# Altium PCB old-CPU-board-multi.PcbDoc (part 2 of 3)
Units mil, origin at the board's own origin, x right, y up, seen from the top; angles counter-clockwise.
Board outline 4897 x 3097 mil, 5 copper layers (L1, L1-2, L2, L3, L4); 329 components, 255 nets, 1009 pads, 327 vias.
Unrouted connection lines stored in the file: 94.
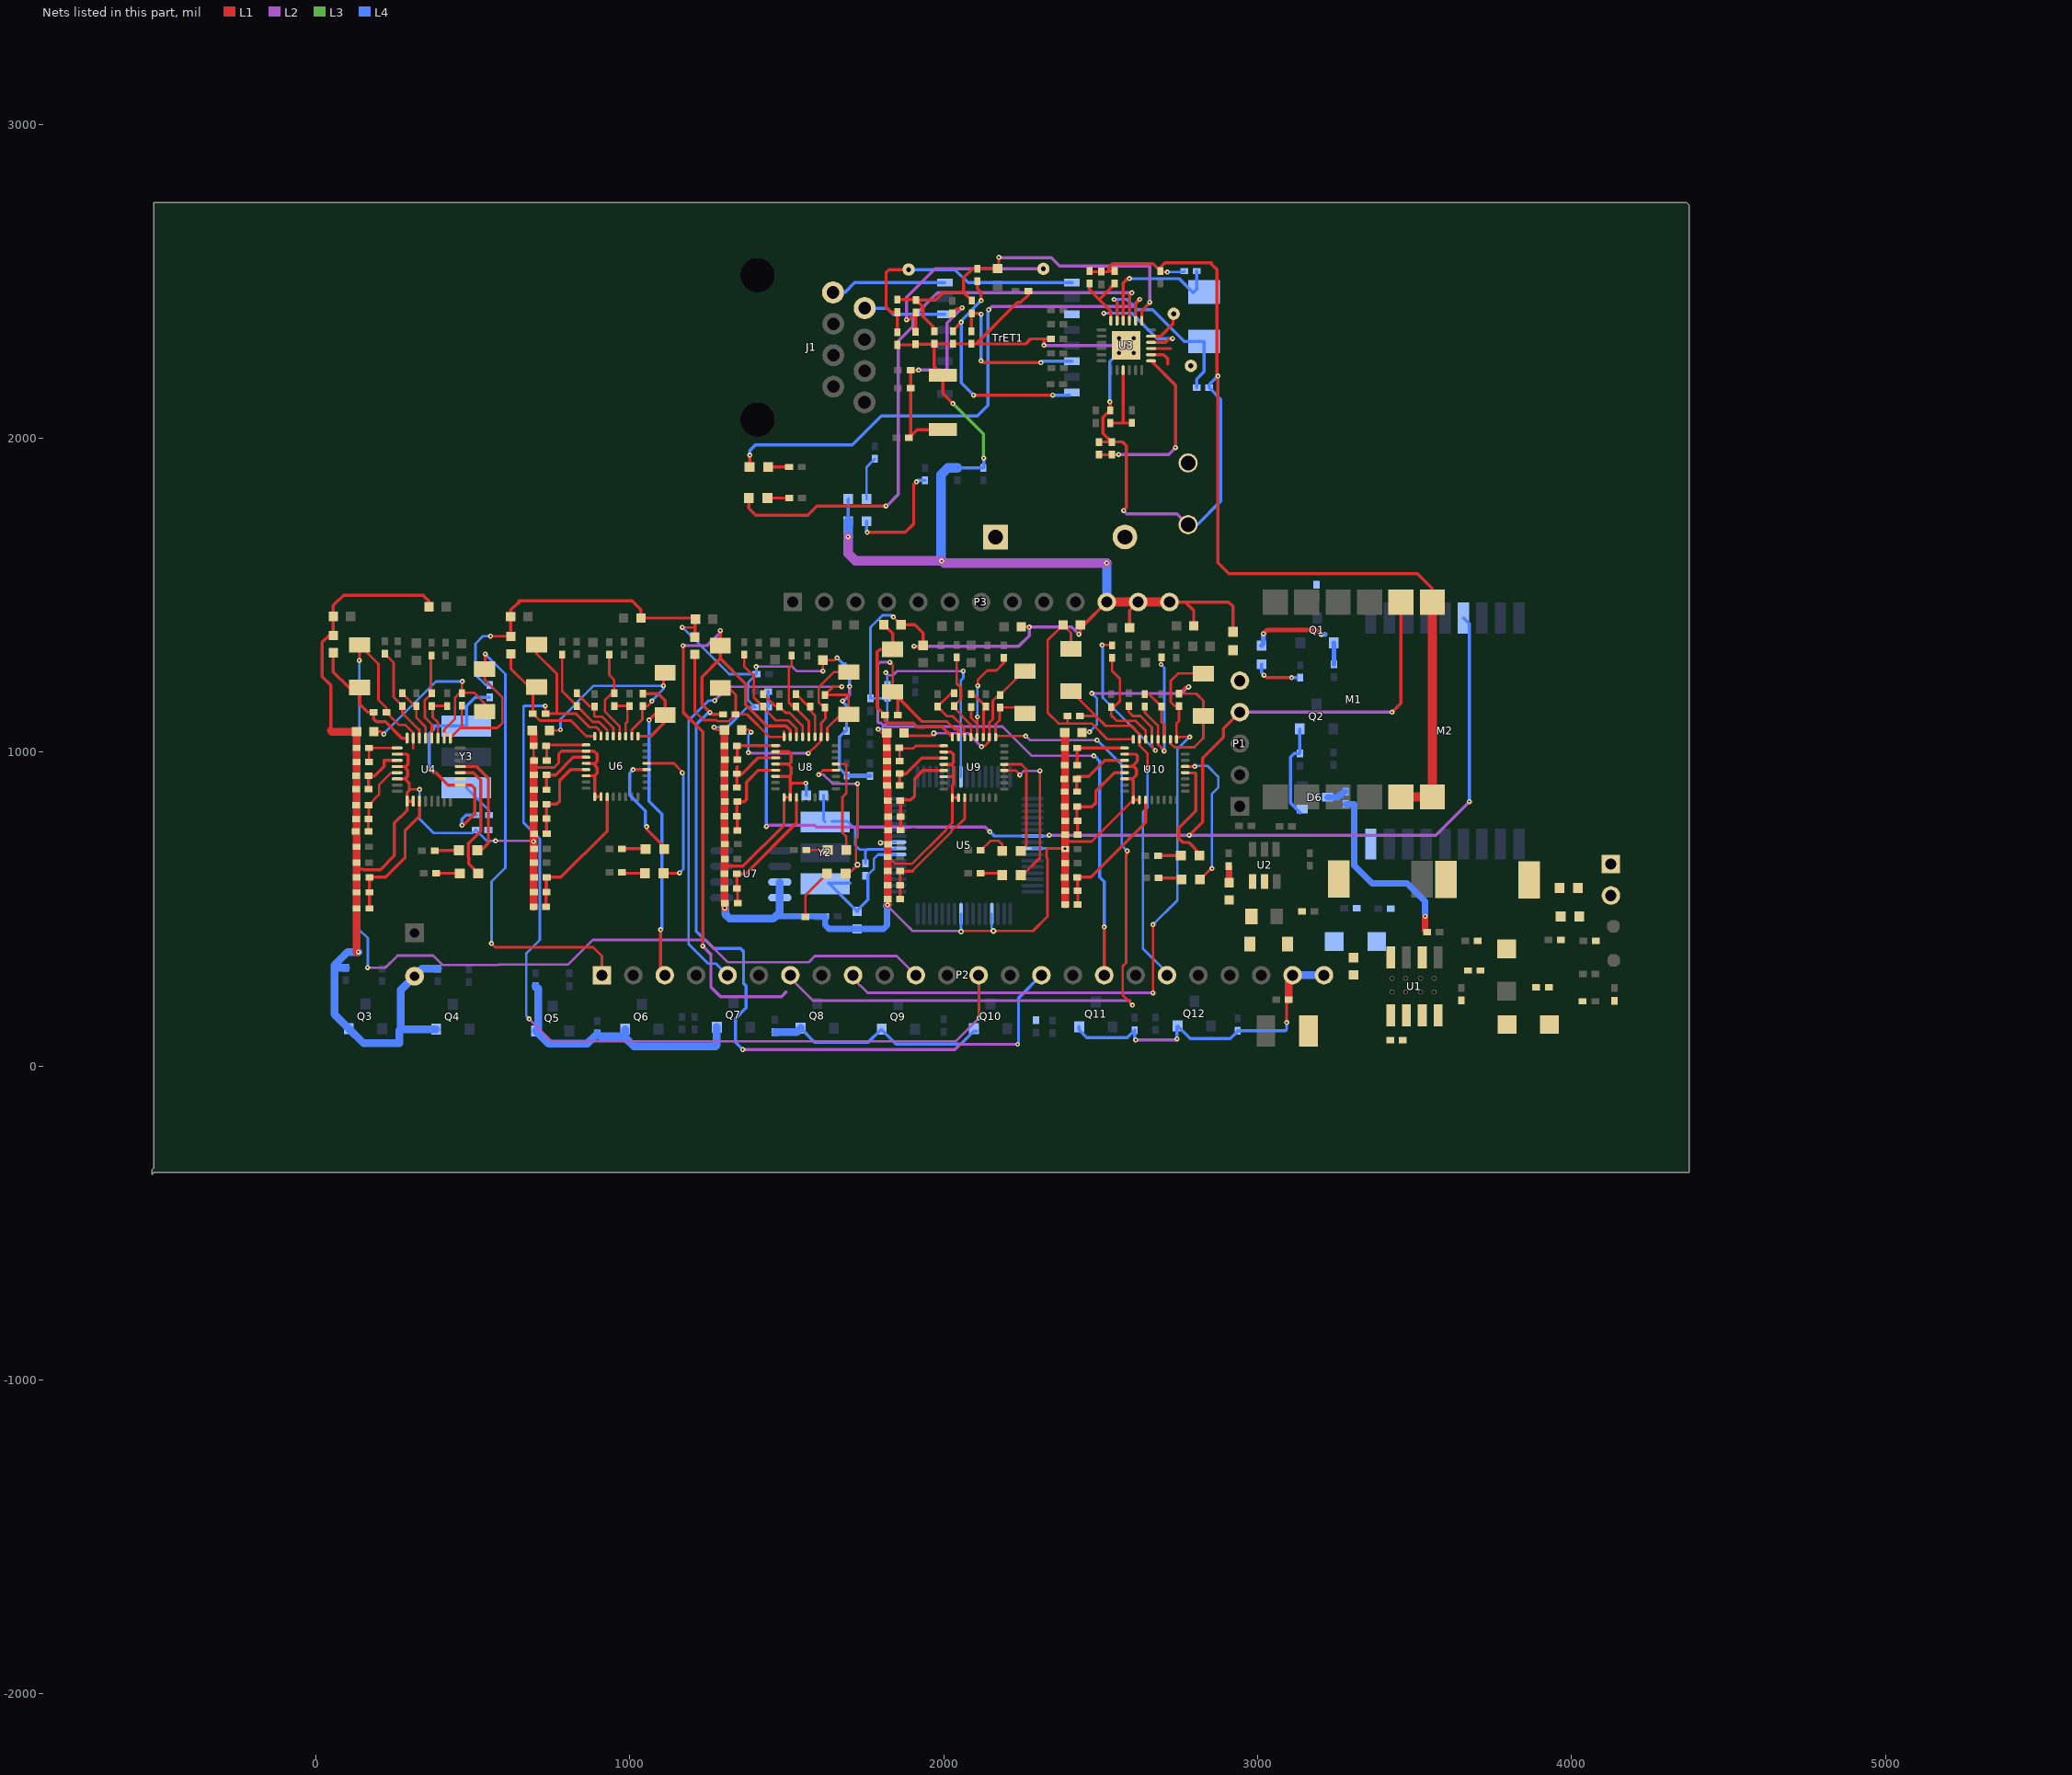
[diagram p4: the nets of this part, all layers, seen from the top]

## Via types
v1: diameter 16, hole 6, L1 to L4, 104 vias
v2: diameter 16, hole 6, L1 to L2, 95 vias
v3: diameter 16, hole 6, L2 to L4, 75 vias
v4: diameter 18, hole 8, L1 to L4, 23 vias
v5: diameter 16, hole 6, L3 to L4, 14 vias
v6: diameter 16, hole 6, L1 to L3, 9 vias
v7: diameter 25.98, hole 12.99, L1 to L4, tented top, 4 vias
v8: diameter 17.72, hole 7.87, L2 to L3, 3 vias

## Nets (pads, with @x,y where several pads share a name; then routed paths per layer and width w, separated by ;. In a path a pad name is that pad's centre, name@x,y a point inside that pad or via, vN(x,y) a via of type N, cw(c..) or ccw(c..) an arc to the next point about the centre after c; other vN are vias at no path point)
GND: BT1.2 C2.2 C3.2 C4.2 C5.2 C8.2 C9.1 C10.2 C11.2 C12.2 C13.2 C14.2 C15.2 C16.2 C17.2 C18.2 C19.2 C20.2 C21.2 C22.2 C23.2 C24.2 C25.2 C26.2 C27.1 C28.2 C29.2 C30.2 C31.2 C32.2 C33.2 C34.2 C36.1 C37.2 C38.2 C39.2 C40.2 C41.2 C42.2 C44.2 C45.2 C46.2 C47.2 C49.2 C50.2 C51.2 C52.2 C53.2 C55.2 C56.2 C57.1 C59.2 C60.2 C61.2 C62.2 C63.2 C64.2 C67.1 C69.2 C70.2 C71.2 C72.1 C74.2 C75.2 C77.2 C78.2 C79.2 C80.2 C81.2 C82.2 C86.2 C87.2 C88.2 C89.2 C91.2 C93.2 C95.2 C96.2 C97.2 C98.1 C99.2 C100.2 C104.2 C105.2 C106.2 C107.2 C108.2 C110.2 C111.2 C112.2 C113.2 C115.2 C116.2 C117.2 C121.2 C122.2 C123.2 C124.2 D1.1 D3.2 D6.A D7.2 D14.2 D15.2 L5.1 L6.1 L8.1 L9.1 L11.1 L12.1 L14.1 L15.1 L17.1 L18.1 L20.1 L21.1 L23.1 L24.1 L26.1 L27.1 L29.1 L30.1 L32.1 L33.1 M1.1 M1.11 M1.12 M2.9 P1.5 P2.23 P2.24 P3.11 P3.12 P3.13 Q2.E Q3.E Q4.E Q5.E Q6.E Q7.E Q8.E Q9.E Q10.E Q11.E Q12.E R6.2 R7.1 R8.1 R15.1 R16.2 R21.1 R37.1 R51.1 R56.1 R62.1 R71.1 R76.1 R81.1 R93.1 R99.1 R105.1 R108.1 TB1.2 U1.4@3574,161 U2.1 U3.25 U4.18 U4.20 U4.22 U4.25 U4.26 U5.9 U5.20 U5.25 U5.41 U6.18 U6.20 U6.22 U6.25 U6.26 U7.3 U7.4 U8.18 U8.20 U8.22 U8.25 U8.26 U9.18 U9.20 U9.22 U9.25 U9.26 U10.18 U10.20 U10.22 U10.25 U10.26 | length 25270.8
  L1 w8: 297,878 300,881 v1(330,881) ; v1(556,1369) L15.1@620,1369 ; C60.2@693,553 C60.2@694,554 ; C72.1@693,975 C70.2@693,1020 ; C70.2@693.81,1020 L12.1@693.81,1064.19 ; C64.2@694,600 C64.2@695,601 ; C56.2@694,648 C56.2@695,647 ; C57.1@694,691 C57.1@695,692 ; C69.2@694,880 C71.2@694,927 ; C71.2@695,928 695,951 ; C72.1@695,973 695,951 ; 782.21,1003.21 773,994 773,965 759,951 695,951 ; v1(1167,1397) 1206,1397 1207,1398 ; v1(1268,1079) 1277,1070 L18.1@1301,1070 ; v2@1616,1258 v2(1615,1258) L17.1@1615,1293 1653,1293 v1(1660,1300) ; v1(1791,1073) 1803,1061 L24.1@1818,1061 ; v4(1798,711) 1817,711 C95.2@1822,706 ; C97.2@1821,666 1821.81,666 1843.61,644.2 1899.2,644.2 2007.4,752.4 2007.4,754.75 2027.1,774.45 U9.25@2027.1,854.54 ; v1(1839,1430) 1863,1406 L27.1@1864,1406 ; v4(2055,428) 2057,430 v4(2158,430) 2284,430 2330,476 2330,660.58 2327.2,663.38 2327.2,689.2 2330.8,692.8 2384.2,692.8 C110.2@2386,691 ; 2386,716 2387,715 2470.86,715 U10.25@2603.56,847.7 ; R37.1@2690,2532 2693,2529 v1(2712,2529)
  L1 w10: 47,1069 47,1213.03 20,1240.03 20,1350 41,1371 L9.1@55,1371 ; L9.1@61,1371 L9.1@55,1371 ; L6.1@121.79,1057.79 L6.1@125.79,1061.79 ; 125.79,993.21 129,993.21 ; C27.1@129,602 C27.1@130,601 ; 129,627 149.4,627 151.2,625.2 205.2,625.2 250,670 250,774 290.1,814.1 U4.25@290.1,843.61 ; L6.1@129,1065 L6.1@125.79,1061.79 ; L6.1@137.79,1061.79 129,1061.79 L6.1@125.79,1061.79 ; U4.22@258.61,914.39 283.39,914.39 ; U4.20@258.61,953.84 285.84,953.84 ; U4.18@258.61,993.21 289.79,993.21 293,990 293,961 285.84,953.84 ; U4.26@309.79,843.61 U4.25@290.1,843.61 ; L5.1@360,1463 360,1481 341,1500 88,1500 55,1467 L8.1@55,1432 L9.1@55,1371 ; L15.1@620,1369 L14.1@620,1431 620,1452 643,1475 647,1475 ; 647,1482 1007,1482 1035,1454 L11.1@1035,1427 L20.1@1205,1427 ; 782.21,1003.21 U6.18@860.54,1003.21 885.79,1003.21 895,994 895,970 888.84,963.84 ; U6.22@860.54,924.47 887.53,924.47 896,932.94 896,950 888.84,957.16 888.84,963.84 ; U6.20@860.54,963.84 888.84,963.84 ; 888.1,923.9 U6.25@888.1,857.54 U6.26@907.79,857.54 ; L21.1@1207,1366 1207,1398 L20.1@1207,1421 ; 1301,637 1323.4,637 1324.2,636.2 1359.8,636.2 1491,767.4 1491,855.54 U8.25@1491.1,855.54 U8.26@1510.79,855.54 1510.79,893.37 ; U8.22@1476.54,922.47 1507.47,922.47 ; U8.20@1476.54,961.84 1506.84,961.84 ; U8.18@1476.54,1001.21 1506.79,1001.21 1513,995 1513,968 1506.84,961.84 ; v1(1560,901) 1518.42,901 1510.79,893.37 ; C18.2@1852,2297 1908,2297 C19.2@1910,2299 C11.2@1969,2299 ; L27.1@1864,1406 1907,1406 1934,1379 L26.1@1934,1340 1931,1337 v2(1905,1337) ; U9.22@1999.54,921.47 2024.47,921.47 2031,928 ; U9.18@1999.54,1000.21 2023.79,1000.21 2031,993 2031,967 2024.84,960.84 ; 2023,961 1999.7,961 U9.20@1999.54,960.84 2023.16,960.84 2031,953 2031,928 ; v6(2029,2110) 1997,2142 C22.2@1997,2200.23 1969,2228.23 C11.2@1969,2299 ; U9.26@2046.79,854.54 U9.25@2027.1,854.54 2027.1,894.9 2031,898.8 2031,928 ; L23.1@2247,1399 2271,1399 v2(2272,1398) v2@2272,1397 ; 2269,2456 2245,2432 2234,2432 2102,2300 ; C13.2@2269,2468 C13.2@2274,2463 ; v2(2319,2296) 2319,2315 2318,2316 ; C15.2@2341,2316 2318,2316 ; v2(2430,1375) 2435,1380 L33.1@2435,1405 2446,1405 P3.11@2519,1478 ; C16.2@2466,2530 C23.2@2502,2530 2524,2530 2526,2532 ; C12.2@2494,1987 2495,1988 C14.2@2534,1988 ; v1(2529,2116) 2530,2115 C24.2@2530,2088 2528,2088 2528,2086.6 2507.2,2065.8 2507.2,2014.8 C14.2@2534,1988 ; C17.2@2544,2532 2526,2532 ; v2(2573,1769) 2571,1769 2581,1779 2581,1976 2569,1988 C14.2@2534,1988 ; U10.22@2576,914.63 2601.63,914.63 ; U10.20@2576,954 2600,954 ; U10.18@2576,993.37 2610.63,993.37 2616,988 2616,973 2617,972 2614,969 2614,968 2600,954 ; L32.1@2592,1396 2592,1451 P3.12@2619,1478 ; U10.26@2623.24,847.7 U10.25@2603.56,847.7 2603.56,907.44 2601.63,909.37 2601.63,914.63 ; P3.13@2719,1478 2769,1478 ; L29.1@2796,1402 2796,1451 2769,1478 ; D1.1@2921,1383.06 2921,1464 2907,1478 2769,1478 ; v1(3092,138) 3092,204 C3.2@3099,211 ; 3556,1521 3508.2,1568.8 2908.2,1568.8 2873,1604 v1(2873,2198) 2869.8,2201.2 2869.8,2537.2 2853,2554 2853,2558 2704,2558 2690,2544 R37.1@2690,2532 2666,2556 2537,2556 2526,2545 2526,2532 ; 283.39,914.39 292,923 292,942 285.84,948.16 285.84,953.84 ; 283.39,914.39 297,900.79 297,878 290.1,871.1 U4.25@290.1,843.61 ; 1506.84,961.84 1506.84,959.16 1514,952 1514,929 1507.47,922.47 ; 1507.47,922.47 1510.79,922.47 1510.79,893.37 ; C11.2@1969,2299 C11.2@1970,2300 C21.2@2029,2300 C20.2@2088,2300 2102,2300 ; 2102,2300 2260,2300 2276,2316 2318,2316 ; 2600,954 2605,954 2614,945 2614,927 2601.63,914.63
  L1 w25: 47,1069 51,1065 L6.1@129,1065 129,1061.79 C53.2@129,1013 129,993.21 C51.2@129,968 C29.2@129,698 C30.2@129,648 129,627 129,602 129,554 C33.2@130,553 C39.2@130,502 v1@130,363 ; C61.2@693,507 693,553 v1(693,715) C72.1@693,975 ; C70.2@693,1020 L12.1@693,1065 ; L18.1@1301,1070 C89.2@1301,1020 C88.2@1301,931 C86.2@1301,887 C78.2@1301,796 1301,707 1301,637 C81.2@1301,612 C79.2@1301,566 1301,521 C77.2@1303,519 1303,504 v4(1302,503) ; L24.1@1818,1061 C106.2@1818,1014 1818,1012 1819,1011 C107.2@1819,971 C104.2@1819,932 C105.2@1819,894 1819,891 1821,889 C93.2@1821,845 1822,844 C100.2@1822,794 C98.1@1822,751 C95.2@1822,706 1821,705 C97.2@1821,666 C91.2@1821,621 C99.2@1821,576 C96.2@1821,532 v1(1821,513) ; C112.2@2386,514 C117.2@2386,558 C108.2@2386,646 C110.2@2386,691 ; v4(2386,692) 2386,716 C115.2@2386,737 C111.2@2386,781 L30.1@2386,1061 ; C3.2@3099,211 3099,277 P2.23@3111,289
  L1 w30: P3.11@2519,1478 P3.12@2619,1478 P3.13@2719,1478 ; M1.11@3456,857 M1.12@3556,857 M1.1@3556,1477
  L2 w8: v3(572,717) 691,717 v1(693,715) ; v3(1402,1272) 1517,1272 1531,1258 v2(1615,1258) ; v1@1819,511 1890.2,439.8 1891.54,439.8 1901.54,429.8 2053.2,429.8 v4(2055,428)
  L2 w10: v3(1677,1163) 1681,1163 1700,1182 v3(1700,1209) ; v2(1905,1337) 2238,1337 2272,1371 v2(2272,1398) 2407,1398 v2(2430,1375) ; v2(2319,2296) 2319.79,2295.21 v2(2581.26,2295.21) ; v2(2573,1769) 2583,1759 2743.15,1759 TB1.2@2778,1724.15 ; v3(2611,83) 2740,83 v3(2743,86)
  L2 w30: v3(1695,1686) 1695,1633 1719,1609 v3(1993,1609) 1994,1609 2001,1602 v3(2519,1602)
  L3 w10: v6(2029,2110) 2126,2013 2126,1935 v5(2127,1936)
  L4 w8: v1(330,881) 330,787 375,742 499,742 C49.2@509,752 544,717 v3(572,717) ; C55.2@553,1214 540,1214 508,1246 508,1345 532,1369 v1(556,1369) ; v1(693,715) v1@693,717 ; v1(1167,1397) 1316,1248 C45.2@1403,1248 ; v1(1268,1079) 1310,1079 1374,1143 C67.1@1399,1143 ; C67.1@1400,1143 C67.1@1399,1143 ; v3(1402,1272) 1403,1271 C45.2@1403,1248 ; v2(1615,1258) 1616,1258 ; v1(1791,1073) 1799,1073 1820,1094 C46.2@1820,1173 1818,1171 R93.1@1766,1171 1766,1397 1805,1436 1833,1436 v1(1839,1430) ; v4(1798,711) 1798,712.68 1798.16,712.84 U5.41@1845.5,712.84 ; U5.25@2054.16,484.5 2055,483.65 v4(2055,428) ; U5.20@2152.58,484.5 2152.58,434.42 2158,429 v4(2158,430) ; U5.9@2282.5,693.16 2385.84,693.16 2386,693 v4(2386,692) ; v1(2712,2529) 2764,2529 2766,2531 C25.2@2766,2532 ; C67.1@1399,1143 1375.7,1166.3 1375.7,1209.19 1377,1210.49 1377,1222 C45.2@1403,1248
  L4 w10: Q8.E@1543.85,120.26 1588.11,76 1759,76 1800.26,117.26 1848,69.52 2054.52,69.52 2095.7,110.7 Q10.E@2103.3,110.7 ; v1(1560,901) 1562,899 C42.2@1562,862 ; v1(1660,1300) 1679,1281 1687,1281 1687,1258 1700,1245 v3(1700,1209) ; v3(1677,1163) 1675,1163 1690,1148 R81.1@1690,1067 1686,1067 1667,1048 1667,948.4 1690.4,925 C40.2@1691,925 ; D14.2@1695,1735 D15.2@1695,1806 ; C44.2@2043,1905 C38.2@2126,1905 2127,1906 v5(2127,1936) ; Q11.E@2431,125 2431,115 2456,90 2584,90 R105.1@2608,114 2608,86 v3(2611,83) ; v1(2529,2116) 2529,2242.95 v7(2557.64,2271.59) ; v3(2743,86) 2743,125.41 Q12.E@2744.85,127.26 2785.11,87 2913,87 R108.1@2936,110 ; TB1.2@2778,1724.15 2807.15,1724.15 2882,1799 2882,2124 C26.2@2845,2161 2845,2170 v1(2873,2198) ; R108.1@2936,112 3088,112 3092,116 v1(3092,138) ; Q2.E@3134,1074 R16.2@3134,996 3116,996 3104,984 3104,838 D6.A@3135,807
  L4 w15: C40.2@1700,925 C37.2@1764,925
  L4 w20: 1465,477 C41.2@1622,477 1622,449 1634,437 C47.2@1724,437 1808,437 1819,448 v1@1819,511
  L4 w25: R51.1@95,313 66.4,313 58.7,320.7 ; v1(135,363) 101,363 58.7,320.7 ; 273.74,117.26 Q4.E@382.85,117.26 ; R56.1@388,310 338,310 C31.2@314,286 270,242 270,117.26 266,113.26 266,73 150.7,73 Q3.E@104.7,119 58.7,165 58.7,320.7 ; R62.1@699,255 707.3,246.7 707.3,118.6 Q5.E@700.7,112 741.7,71 864,71 R71.1@896,103 904.15,94.85 984.85,94.85 ; Q6.E@984.85,117.26 984.85,94.85 ; Q7.E@1276.85,123.26 1276.85,66.85 1273,63 1012,63 984.85,90.15 984.85,94.85 ; v4(1302,503) 1304,501 1304,483 1318,469 1457,469 1465,477 1477.52,489.52 U7.4@1477.52,536 U7.3@1477.52,585.7 ; R76.1@1462,108 1531.59,108 Q8.E@1543.85,120.26 ; v1@1819,511 v1(1821,513) ; P2.23@3111,289 P2.24@3211,289
  L4 w30: v3(1695,1686) D14.2@1695,1735 ; v3(1993,1609) 1991,1611 1991,1883 2013,1905 C44.2@2043,1905 ; P3.11@2519,1478 v3(2519,1602)
  other v7: 2604.88,2271.59 2557.64,2318.83 2604.88,2318.83
NetBT1_1: BT1.1 D4.1 R10.1 R11.2 R12.2 | length 596.7
  L1 w20: v1(3533,477) 3533,432 R12.2@3539,426
  L4 w20: R11.2@3280,834 3307,834 3307,639 3364,582 3476,582 3533,525 v1(3533,477)
NetC1_1: C1.1 U1.1
NetC1_2: C1.2 D1.2 L1.1 U1.3
NetC4_1: C4.1 D2.1 D4.2 R1.2 R3.2 R4.2 TB1.1 U1.2 | length 144.6
  L1 w10: v1(3020,1245) 3028,1237 v1(3108,1237)
  L4 w10: D2.1@3012,1280 3012,1253 v1(3020,1245) ; v1(3108,1237) 3123,1237
NetC5_1: C5.1 U1.8
NetC6_1: C6.1 U1.6
NetC6_2: C6.2 R8.2
NetC7_1: C7.1 D5.K R14.1 | length 53.8
  L1 w20: R14.1@2907,637 2909,635 C7.1@2909,584
NetC7_2: C7.2 L2.1 U2.2
NetC10_1: C10.1 D5.A L2.2
NetC11_1: C11.1 C12.1 C14.1 L3.2 R23.2 R24.2 R25.2 R26.2 U3.1 U3.19 | length 1820.4
  L1 w10: R23.2@1852,2441 1910,2441 R24.2@1911,2440 R24.2@1911.6,2440 ; C11.1@1970,2340 1970,2351 1933.8,2387.2 1933.8,2417.8 R24.2@1911.6,2440 ; R25.2@2089,2438 2063,2464 ; L3.2@2171,2540 R26.2@2107,2540 2092,2540 2063,2511 2063,2464 ; L3.2@2175,2544 v2(2175,2576) ; C12.1@2494,1947 C14.1@2535,1947 2556,1947 v2(2557,1948) ; U3.1@2630.47,2373.95 2630.47,2405 2656,2430.53 v2(2656,2433) ; U3.19@2660,2246 2738,2168 v2(2738,1970) ; R24.2@1911.6,2440 1973,2440 1997,2464 2063,2464
  L2 w10: v2(2175,2576) 2177,2574 2343,2574 2369,2548 2656,2548 v2(2656,2433) ; v2(2557,1948) 2716,1948 v2(2738,1970)
NetC16_1: C16.1 C17.1 U3.6 | length 216.8
  L1 w10: C16.1@2464,2492 2464,2473.05 2495.52,2441.52 ; U3.6@2532.05,2373.95 2532.05,2405 2495.52,2441.52 ; C17.1@2544,2492 2532.05,2480.05 2532.05,2478.05 2495.52,2441.52
NetC18_1: C18.1 R23.1 TP3.1 TrET1.1 U3.21 | length 893.7
  L1 w10: C18.1@1852,2337 R23.1@1852,2401 1831,2401 1816,2416 1816,2528 1825,2537 TP3.1@1888,2537 ; U3.21@2660,2285.37 2722.37,2285.37
  L4 w10: TP3.1@1888,2537 2035,2537 2077,2495 TrET1.1@2408,2495
NetC19_1: C19.1 R24.1 TP4.1 TrET1.3 U3.20 | length 720.9
  L1 w10: v2(1881,2377) 1888,2377 R24.1@1911,2400 1911,2340 C19.1@1910,2339 ; U3.20@2660,2265.68 2700.32,2265.68 2713,2253 2713,2236
  L2 w10: v2(1881,2377) 1881,2448 1972,2539 TP4.1@2317,2539
NetC20_1: C20.1 R25.1 TP5.1 TrET1.6 U3.23 | length 651.9
  L1 w10: C20.1@2088,2340 2088,2397 2117,2397 v1(2119,2395) ; v1(2118,2246) 2124,2240 v1(2309,2240) ; U3.23@2660,2324.74 2690.74,2324.74 2730,2364 2730,2394 TP5.1@2732,2396
  L4 w10: v1(2118,2246) 2118,2394 v1(2119,2395) ; v1(2309,2240) 2314,2245 TrET1.6@2408,2245
NetC21_1: C21.1 R26.1 TP6.1 TrET1.8 U3.22 | length 1081.3
  L1 w10: C21.1@2029,2340 2029,2343 v1(2055,2369) ; v1(2095,2137) v1(2347,2137) ; R26.1@2107,2500 2107,2476 2119,2464 v1(2119,2438) ; U3.22@2660,2305.05 2706.05,2305.05 2718,2317 v1(2728,2317)
  L4 w10: v1(2095,2137) 2056,2176 2056,2368 v1(2055,2369) 2055,2374 v1(2119,2438) ; v1(2347,2137) TrET1.8@2400,2137 ; v1(2509,2398) 2599,2398 2680,2317 v1(2728,2317)
NetC22_1: C22.1 R27.2 R28.1 R33.1 R34.2 | length 703
  L1 w10: R34.2@1889,2001 R34.2@1894,2006 ; v2(1920,2217) 1919,2216 R27.2@1894,2216 R33.1@1894,2159 R34.2@1894,2006 ; C22.1@1997,2027 1915,2027 R34.2@1894,2006 ; R28.1@2027,2397 2041.7,2411.7 2054.7,2411.7 v2(2058,2415)
  L2 w10: v2(1920,2217) 1992,2217 1998,2211 2010,2223 2010,2367 v2(2058,2415)
NetC24_1: C24.1 R36.1 U3.15 | length 242.7
  L1 w10: C24.1@2530,2048 2572,2048 ; U3.15@2571.42,2216.47 2571.42,2048.58 2572,2048 ; R36.1@2604,2048 2572,2048
NetC25_1: C25.1 U3.4 Y1.2 | length 440.6
  L1 w10: U3.4@2571.42,2373.95 2571.42,2494.42 2585,2508 v1(2591,2508)
  L4 w10: v1(2591,2508) 2749.48,2508 2794,2463.48 2806,2475.48 C25.1@2806,2532
NetC26_1: C26.1 U3.5 Y1.1 | length 572.2
  L1 w10: v1@2542.73,2443 2551.73,2434 U3.5@2551.73,2373.95
  L4 w10: v1(2542,2442) 2583,2442 2616,2409 2665.42,2409 2766.42,2308 Y1.1@2829,2308 2829,2212 2805,2188 C26.1@2805,2161
NetC27_2: C27.2 C33.1 C39.1 U4.27 | length 437.5
  L1 w10: C39.1@170,502 C33.1@170,553 C27.2@170,601 221,601 284,664 284,751 329.47,796.47 U4.27@329.47,843.61
NetC28_1: C28.1 C32.1 C36.2 U4.21 | length 234.5
  L1 w8: C32.1@167,747 C36.2@167,786 ; C36.2@168,787 C28.1@168,831 201,864 201,895 240.16,934.16 U4.21@258.61,934.16
NetC35_1: C35.1 R42.1 U4.12 | length 279.6
  L1 w8: R42.1@366,1302 C35.1@366,1184 ; U4.12@368.84,1044.39 368.84,1087.97 346.91,1109.91 346.91,1138.09 346,1139 346,1164 C35.1@366,1184 ; C35.1@369,1187 C35.1@366,1184
NetC35_2: C35.2 R40.1 U4.11 | length 157.4
  L1 w8: C35.2@365,1143 372,1136 372,1111 388.53,1094.47 U4.11@388.53,1044.39 ; C35.2@369,1147 R40.1@418,1147
NetC42_1: C42.1 R46.2 U5.40 Y2.2 | length 406
  L4 w8: C42.1@1617,862 1617,782.43 Y2.2@1622,777.43 ; Y2.2@1643,779.43 1693.57,779.43 1717,756 1717,704.58 1732.38,689.2 1756,689.2 ; R46.2@1750,646 1750,683.2 1756,689.2 ; 1758,689.2 1756,689.2 ; U5.40@1845.5,693.16 1843.52,691.18 1808.63,691.18 1807.66,690.2 1757,690.2 1756,689.2
NetC43_1: C43.1 L6.2 R45.2 U4.10 | length 681.4
  L1 w8: L6.2@184,1065 208,1065 v1(216,1057) ; U4.10@408.21,1044.39 408.21,1071.21 443,1106 443,1174 457,1188 C43.1@465,1188 C43.1@465,1189 ; C43.1@461,1189 C43.1@465,1189 ; v1(466,1225) 465,1224 C43.1@465,1189 ; R45.2@537,1129 537,1155 503,1189 C43.1@465,1189
  L4 w8: v1(216,1057) 221,1062 221,1064 382,1225 v1(466,1225)
NetC43_2: C43.2 P2.1 R45.1 U4.9 | length 1892.5
  L1 w8: U4.9@427.9,1044.39 460,1076.5 577.5,1076.5 594,1093 594,1174 537,1231 R45.1@537,1264 539,1266 v1(539,1312) ; 465,1081.5 C43.2@465,1148 ; v1(559,390) 571,378 883,378 911,350 P2.1@911,289
  L4 w8: v1(539,1312) 603,1248 603,631 559,587 v1(559,390)
NetC46_1: C46.1 U5.56 | length 639.4
  L1 w8: v2(2061.8,1257.8) v1(2061.86,1257.8)
  L2 w8: v3(1815,1253) 1820.8,1247.2 1820.8,1244.2 1837.2,1244.2 1850.8,1257.8 v2(2061.8,1257.8)
  L4 w8: v3(1815,1253) 1820,1248 C46.1@1820,1213 ; U5.56@2054.16,921.5 2054.16,1228.16 2061.86,1235.86 v1(2061.86,1257.8)
NetC47_1: C47.1 R46.1 U5.39 Y2.1 | length 460.1
  L4 w8: R46.1@1758,608 1777,627 1777,659 1791.4,673.4
  L4 w10: Y2.1@1632,582.57 Y2.1@1633.43,582.57 ; Y2.1@1700.57,582.57 Y2.1@1633.43,582.57 ; R46.1@1758,608 1758,530 1724,496 C47.1@1724,492 Y2.1@1633.43,582.57 ; 1791.4,673.4 1845.42,673.4 U5.39@1845.5,673.47
NetC48_1: C48.1 R50.1 U4.14 | length 316.1
  L1 w8: R50.1@219,1313 247,1285 247,1175 C48.1@275,1147 275,1124 326.47,1072.53 329.47,1072.53 U4.14@329.47,1044.39
NetC48_2: C48.2 R47.1 U4.13 | length 176.3
  L1 w8: C48.2@275,1187 315,1147 R47.1@320,1147 320,1109 349.16,1079.84 U4.13@349.16,1044.39
NetC49_1: C49.1 R52.2 U4.3 Y3.2 | length 117
  L4 w8: Y3.2@479,886.15 551,814.15 R52.2@551,799
NetC50_1: C50.1 C52.1 U4.19 | length 164.3
  L1 w10: C52.1@168,882 C50.1@168,924 187,924 217.53,954.53 217.53,973.53 U4.19@258.61,973.53
NetC51_1: C51.1 C53.1 U4.17 | length 134.6
  L1 w8: C51.1@169,968 C53.1@169,1013 258.5,1013 U4.17@258.61,1012.9
NetC54_1: C54.1 L9.2 R53.2 U4.16 | length 427.9
  L1 w10: L9.2@55,1316 55,1255 104,1206 R53.2@139,1206 139,1152 164,1127 C54.1@184,1127 184,1105 193,1096 222,1096 273.61,1044.39 U4.16@290.1,1044.39
NetC54_2: C54.2 P2.11 R53.1 U4.15 | length 3322.9
  L1 w8: v1(138,1292) 139,1293 R53.1@139,1341 199,1281 199,1166 224,1141 C54.2@224,1127 265,1086 284.94,1086 309.79,1061.15 U4.15@309.79,1044.39 309.79,1012.21
  L2 w8: v3(164,313) 221,313 260,352 373,352 403,322 581.78,322 583.27,323.48 803.48,323.48 881.8,401.8 1240.2,401.8 1311.67,330.33 1569.33,330.33 1589,350 1850,350 P2.11@1911,289
  L4 w8: v1(138,1292) 138,434 165,407 165,314 v3(164,313)
NetC55_1: C55.1 R52.1 U4.2 Y3.1 | length 773.9
  L1 w10: v1(361,945) 372,934 382,934 421.13,894.87 U4.2@459.39,894.87 ; U4.2@459.39,894.79 495.21,894.79 506,884 506,803 474,771 469,771 v1(465,767)
  L4 w10: v1(361,945) 361,1059 375,1073 375,1083 Y3.1@479,1083 479,1146 507,1174 C55.1@553,1174 ; v1(465,767) 465,786 478,799 R52.1@511,799
NetC59_1: C59.1 C62.1 C63.1 U6.21 | length 305.2
  L1 w10: C63.1@735,740 734,741 C62.1@734,788 C59.1@734,834 767,834 776,843 776,909 811.16,944.16 U6.21@860.54,944.16
NetC60_1: C60.1 C61.1 C64.1 U6.27 | length 504.6
  L1 w10: C61.1@733,507 C64.1@733,601 ; C60.1@734,553.4 C60.1@734,554 734,600 C64.1@735,601 780,601 927.47,748.47 U6.27@927.47,857.54
NetC65_1: C65.1 R58.1 U6.12 | length 293.3
  L1 w8: R58.1@934,1310 934,1245 950,1229 C65.1@950,1187 ; C65.1@941,1186 920,1165 920,1129 966.84,1082.16 U6.12@966.84,1050.46
NetC65_2: C65.2 R55.1 U6.11 | length 143.8
  L1 w8: C65.2@950,1147 R55.1@998,1147 ; U6.11@986.53,1050.46 986.53,1091.53 992,1097 R55.1@992,1144
NetC66_1: C66.1 L12.2 R61.2 U6.10 | length 691.4
  L1 w8: L12.2@744,1069 779,1069 v1(779,1071) ; U6.10@1006.21,1050.46 1006.21,1070.21 1040,1104 C66.1@1040,1146 ; C66.1@1041,1146 1056,1146 1071,1161 v1(1070,1162) ; v1(1107,1211) R61.2@1107,1248
  L4 w8: v1(779,1071) 779,1105 885,1211 v1(1107,1211) 1107,1201 1070,1164 v1(1070,1162)
NetC66_2: C66.2 P2.3 R61.1 U6.9 | length 1147.7
  L1 w10: U6.9@1025.9,1050.46 1066.46,1050.46 1112,1096 R61.1@1112,1118 ; C66.2@1041,1186 1090,1186 1112,1164 R61.1@1112,1118 ; v1(1061,1102) 1077,1118 R61.1@1112,1118 ; v1(1098,434) 1098,302 P2.3@1111,289
  L4 w10: v1(1061,1102) 1061,843 1102,802 1102,438 v1(1098,434)
NetC67_2: C67.2 M1.2 M2.15 P1.4 R59.1 U5.7 | length 4632.6
  L1 w10: v2(2782,735) 2824,777 2824,981 2890,1047 2890,1074 P1.4@2943,1127 ; v2(3428,1127) 3456,1155 M1.2@3456,1477
  L2 w10: v3(1435,763) 1435,765 1437,767 1587.83,767 1593.43,761.4 1894.98,761.4 1895.38,761.8 1912.62,761.8 1913.02,761.4 2131.6,761.4 v3(2147,746) ; v3(2336,735) v2(2782,735) 3567,735 v3(3674,842) ; P1.4@2943,1127 v2(3428,1127)
  L4 w10: v3(1435,763) 1435,1138 C67.2@1440,1143 R59.1@1440,1193 ; v3(2147,746) 2160.47,732.53 U5.7@2282.5,732.53 2334.53,732.53 2336,734 v3(2336,735) ; M2.15@3655.11,1427 3674,1408.11 v3(3674,842)
NetC68_1: C68.1 R66.1 U6.14 | length 331.7
  L1 w8: R66.1@784,1311 784,1194 C68.1@831,1147 882,1096 902,1096 927.47,1070.53 U6.14@927.47,1050.46
NetC68_2: C68.2 R63.1 U6.13 | length 206.3
  L1 w8: C68.2@831,1187 873,1145 R63.1@887,1145 887,1114 888,1113 911,1113 947.16,1076.84 U6.13@947.16,1050.46
NetC69_1: C69.1 C71.1 U6.19 | length 197
  L1 w10: C69.1@734,880 C71.1@734,927 763.17,927 819.7,983.53 U6.19@860.54,983.53
NetC70_1: C70.1 C72.2 U6.17 | length 176.6
  L1 w8: C72.2@735,973 735,1018 C70.1@733,1020 735.9,1022.9 U6.17@860.54,1022.9
NetC73_1: C73.1 L15.2 R72.2 U6.16 | length 470.7
  L1 w8: L15.2@621,1313 621,1265 679,1207 R72.2@703,1207 691,1195 C73.1@691,1122 713,1100 812,1100 861.54,1050.46
  L1 w10: 861.54,1050.46 U6.16@888.1,1050.46
NetC73_2: C73.2 P2.13 R72.1 U6.15 | length 3224.3
  L1 w8: R72.1@703,1342 703,1313 767,1249 767,1122 ; v1(730,1147) 731,1146 C73.2@731,1122 767,1122 ; U6.15@907.79,1050.46 907.79,1064.21 893,1079 871,1079 828,1122 767,1122 ; P2.13@2111,289 2112,288 v2(2112,153)
  L2 w8: v3(679,150) 750.8,78.2 2037.2,78.2 v2(2112,153)
  L4 w8: v3(679,150) 670,159 670,359 712.8,401.8 712.8,723.2 661,775 661,1145 663,1147 v1(730,1147)
NetC77_1: C77.1 C79.1 C81.1 U8.27 | length 431.7
  L1 w10: C77.1@1343,519 1343,564 C79.1@1341,566 C81.1@1341,612 1368,612 1530.47,774.47 U8.27@1530.47,855.54
NetC78_1: C78.1 C80.1 C82.1 U8.21 | length 301.1
  L1 w10: C80.1@1342,750 1342,795 C78.1@1341,796 1341,841 C82.1@1342,842 1364,842 1371,849 1371,904 1409.16,942.16 U8.21@1463.54,942.16 U8.21@1476.54,942.16
NetC83_1: C83.1 R77.1 U8.12 | length 289.2
  L1 w8: R77.1@1515,1308 1515,1276 1506.2,1267.2 1506.2,1158.2 C83.1@1519.4,1145 ; C83.1@1529,1139 1569.84,1098.16 U8.12@1569.84,1048.46
  L1 w10: C83.1@1519.4,1145 C83.1@1529,1145
NetC83_2: C83.2 R74.1 U8.11 | length 151.5
  L1 w8: C83.2@1529,1185 1569,1145 R74.1@1574,1145 ; 1574,1132 1589.53,1116.47 U8.11@1589.53,1048.46
NetC84_1: C84.1 L18.2 R78.2 U8.10 | length 657.7
  L1 w8: L18.2@1356,1070 1358,1072 1377,1072 v1(1386,1063) ; v2(1568,996) 1569,996 1595.88,1022.88 1596.45,1022.88 1606.25,1032.67 1606.25,1045.49 U8.10@1609.21,1048.46 1609.21,1092.21 1623,1106 1623,1140.19 C84.1@1621.19,1142 ; C84.1@1623,1142 C84.1@1621.19,1142 ; R78.2@1697,1255 1650.01,1255 1601.2,1206.19 1601.2,1158.8 1618,1142 C84.1@1621.19,1142
  L2 w8: v3(1377,998) 1379,996 v2(1568,996)
  L4 w8: v3(1377,998) 1377,1054 v1(1386,1063)
NetC84_2: C84.2 P2.5 R78.1 U8.9 | length 1724.7
  L1 w8: C84.2@1621.19,1182 1647.19,1208 v2(1675,1208) ; C84.2@1623,1182 1697,1182 R78.1@1697,1120 1672,1120 1628.9,1076.9 U8.9@1628.9,1048.46
  L2 w8: v3(1270,1164) 1314,1208 v2(1675,1208)
  L4 w8: v3(1270,1164) 1251,1164 1187,1100 1187,388 1249,326 1274,326 P2.5@1311,289
NetC85_1: C85.1 R83.1 U8.14 | length 353.6
  L1 w8: R83.1@1364,1310 1364,1273 1395,1242 1395,1174 C85.1@1424,1145 1439,1130 1439,1127 1465,1101 1504.43,1101 1530.2,1075.23 1530.2,1048.73 U8.14@1530.47,1048.46
NetC85_2: C85.2 R80.1 U8.13 | length 202.9
  L1 w8: C85.2@1424,1185 1464,1145 R80.1@1476,1145 1496,1125 1508,1125 1550.16,1082.84 U8.13@1550.16,1048.46
NetC86_1: C86.1 C88.1 U8.19 | length 223.1
  L1 w10: C86.1@1341,887 C88.1@1341,931 ; 1342,953.2 1341,952.2 C88.1@1341,931 ; U8.19@1476.54,981.53 U8.19@1463.54,981.53 1408.53,981.53 1358,931 C88.1@1341,931
NetC87_1: C87.1 C89.1 U8.17 | length 180.3
  L1 w10: C87.1@1342,976 1342,1019 C89.1@1341,1020 1341.9,1020.9 U8.17@1463.54,1020.9 U8.17@1476.54,1020.9
NetC90_1: C90.1 L21.2 R85.2 U8.16 | length 655.1
  L1 w8: L21.2@1207,1311 1207,1129 1234,1102 1275.81,1102 1279.61,1098.2 1315.2,1098.2 C90.1@1337,1120 ; R85.2@1288,1204 1315,1204 1337,1182 C90.1@1337,1120 ; 1491.1,1065.9 U8.16@1491.1,1048.46 1444.54,1048.46 1373,1120 C90.1@1337,1120
NetC90_2: C90.2 P2.15 R85.1 U8.15 | length 4614.6
  L1 w10: v2(1169,1339) 1170,1338 1170,1126 1232,1064 v2(1232,382) ; v2(1288,1387) R85.1@1288,1339 1288,1298 ; C90.2@1297,1120 1261,1120 v1(1255,1126) 1229,1152 1229,1239 1288,1298 ; U8.15@1510.79,1048.46 1510.79,1069.97 1496.76,1084 1436,1084 1369,1151 1369,1217 1288,1298
  L2 w10: v2(1169,1339) 1246,1339 1291,1384 v2(1288,1387) ; v2(1232,382) 1258,356 1258,252 1288.8,221.2 1482.2,221.2 1497,236 ; v3(1359.2,52.2) 2034.96,52.2 2051.76,69 v3(2235,69)
  L4 w10: v1@1257,1123 1247,1123 1211,1087 1211,430 1267,374 1353,374 1362,365 1362,263 1370,255 1370,185 1336,151 1336,75.4 v3(1359.2,52.2) ; v3(2235,69) 2238,72 2238,216 P2.15@2311,289
NetC91_1: C91.1 C96.1 C99.1 U9.27 | length 432.8
  L1 w8: 1900,621 2023.2,744.2 2023.2,748.2 2034.8,759.8 2038.8,759.8 2066.47,787.47
  L1 w10: C96.1@1861,532 C99.1@1861,576 C91.1@1861,621 1900,621 ; 2066.47,787.47 U9.27@2066.47,854.54
NetC93_1: C93.1 C98.2 C100.1 U9.21 | length 305
  L1 w10: C98.2@1862,751 C100.1@1862,794 1862,844 C93.1@1861,845 1864,848 1895,848 1907,860 1907,915 1933.16,941.16 U9.21@1999.54,941.16
NetC94_1: C94.1 R89.1 U9.12 | length 360.3
  L1 w8: C94.1@2087,1139 2087,1109 2105.84,1090.16 ; U9.12@2105.84,1047.46 2105.84,1090.16 ; v1(2107,1112) 2105.84,1110.84 2105.84,1090.16 ; v1(2108,1211) 2108,1230 ; 2108.8,1230.8 2138,1260 2167,1260 2191,1284 R89.1@2191,1300
  L4 w8: v1(2107,1112) 2107,1210 v1(2108,1211)
NetC94_2: C94.2 R87.1 U9.11 | length 164.2
  L1 w8: C94.2@2087,1184 2095,1184 R87.1@2134,1145 2126.8,1137.8 2126.8,1048.73 U9.11@2125.53,1047.46
NetC101_1: C101.1 L24.2 R90.2 U9.10 | length 585.7
  L1 w8: L24.2@1873,1061 1881.8,1052.2 1961.2,1052.2 1968,1059 v6(1969,1059) ; v6@2120,1020 2130.58,1020 2142.6,1032.02 2142.6,1044.84 U9.10@2145.21,1047.46 2145.21,1094.21 2156,1105 2156,1163 2175,1182 C101.1@2179,1182 2255,1258 R90.2@2258,1258
  L2 w8: v8(1968,1060) 2077,1060 v6(2120,1017)
  L3 w8: v8(1968,1060) 1968,1058 1969,1057 v6(1969,1059) ; v6@2118.2,1018.8 v6(2120,1017)
NetC101_2: C101.2 P2.7 R90.1 U9.9 | length 2558
  L1 w8: R90.1@2258,1123 2239,1142 C101.2@2179,1142 2178,1141 2178,1102 2164.9,1088.9 U9.9@2164.9,1047.46 2168.44,1051 v2(2261,1051) ; v1(2584,685) 2584,677 2581,674 2581,328.77 2569.67,317.45 2569.67,225.33 v2(2601,194)
  L2 w8: P2.7@1511,289 1511,280 1583,208 2593,208 2593,202 v2(2601,194) ; v2(2261,1051) 2274,1038 v3(2488,1038)
  L4 w8: v3(2488,1038) 2567,959 2567,702 v1(2584,685)
NetC102_1: C102.1 R95.1 U9.14 | length 214.2
  L1 w8: C102.1@2033,1187 2022,1187 R95.1@1980,1145 2011,1114 2028.76,1114 2063.59,1079.17 2063.59,1050.34 U9.14@2066.47,1047.46
NetC102_2: C102.2 R92.1 U9.13 | length 290.3
  L1 w8: R92.1@2041,1301 2041,1218.19 2054.8,1204.39 2054.8,1168.8 C102.2@2033,1147 2033,1140.66 2086.16,1087.5 U9.13@2086.16,1047.46
NetC103_1: C103.1 L27.2 R96.2 U9.16 | length 609.8
  L1 w10: L27.2@1809,1406 1837,1378 R96.2@1837,1327 1796,1327 1788,1319 1788,1142 1812,1118 C103.1@1813,1118 1813,1099 1820,1092 1903,1092 1915.6,1079.4 1938.17,1079.4 1938.77,1080 1994.56,1080 U9.16@2027.1,1047.46
NetC103_2: C103.2 P2.17 R96.1 U9.15 | length 2112
  L1 w8: v1@1828,1288 v1(1828,1286) 1837,1277 R96.1@1837,1192 ; 1930.8,1097.2 2009.86,1097.2 2034.85,1072.21 2046.79,1072.21
  L1 w10: R96.1@1837,1192 1837,1191 R96.1@1853,1175 ; C103.2@1853,1118 R96.1@1853,1175 ; 1930.8,1097.2 R96.1@1853,1175 ; U9.15@2046.79,1047.46 2046.79,1072.21 ; P2.17@2511,289 v1(2511,443)
  L2 w8: v1(1828,1286) 1798,1286 1790,1278 1790,1095 1792.2,1092.8 1799.2,1092.8 1811,1081 2187,1081 2280,988 v3(2478,988)
  L4 w10: v3(2478,988) 2480,988 2497,971 2497,601 2511,587 v1(2511,443)
NetC104_1: C104.1 C105.1 U9.19 | length 201.1
  L1 w10: C105.1@1859,891 C105.1@1859,894 1859,931 1880,931 1929.53,980.53 U9.19@1999.54,980.53
NetC106_1: C106.1 C107.1 U9.17 | length 186.8
  L1 w8: C107.1@1859,968 C107.1@1859,971 C106.1@1859,1011 ; C106.1@1859,1012 1903,1012 1910.9,1019.9 U9.17@1999.54,1019.9
NetC111_1: C111.1 C115.1 C116.1 U10.21 | length 306.4
  L1 w10: C116.1@2424,825 2424,781 2426,779 C115.1@2426,737 ; C116.1@2425,826 2472,826 2484,838 2484,875 2543.32,934.32 U10.21@2576,934.32
NetC112_1: C112.1 C113.1 C117.1 U10.27 | length 449
  L1 w10: C112.1@2427,515 2427,557 C117.1@2426,558 2426,600 C113.1@2425,601 2468,601 2642.93,775.93 U10.27@2642.93,847.7
NetC114_1: C114.1 R104.1 U10.12 | length 469.8
  L1 w8: C114.1@2641,1144 2641,1125.66 2682.3,1084.36 U10.12@2682.3,1040.61 2682.3,1024.7 2693.8,1013.2 2693.8,1011.2 v1(2702,1003) ; v1(2692,1279) 2692,1301 R104.1@2693,1302
  L4 w8: v1(2692,1279) 2702,1269 v1(2702,1003)
NetC114_2: C114.2 R101.1 U10.11 | length 175.7
  L1 w8: C114.2@2640,1185 2653,1185 R101.1@2693,1145 2693,1098 ; 2693,1096 2701.98,1087.02 U10.11@2701.98,1040.61
NetC118_1: C118.1 L30.2 R106.2 U10.10 | length 864.6
  L1 w8: L30.2@2440,1062 2462,1062 v1(2464,1064) ; U10.10@2721.67,1040.61 2721.67,1027.79 2734.43,1015.03 2798.03,1015.03 2827,1044 R106.2@2827,1115 2827,1163 2804,1186 C118.1@2749,1186 2770,1207 v1(2779,1207)
  L2 w8: v3(2471,1187) 2759,1187 v1(2779,1207) v3(2780,1208)
  L4 w8: v1(2464,1064) 2488,1088 2488,1170 v3(2471,1187) ; v1(2779,1207) v3(2780,1208)
NetC118_2: C118.2 P2.9 R106.1 U10.9 | length 2214.3
  L1 w8: v2(2666,233) v1(2666,450) ; v1(2783,1048) 2748.74,1048 U10.9@2741.35,1040.61 2741.35,1091.35 2749,1099 C118.2@2749,1146 2736,1146 2723,1159 2723,1227 2746,1250 R106.1@2827,1250
  L2 w8: P2.9@1711,289 1711,279 1757,233 v2(2666,233)
  L4 w8: v1(2666,450) 2744,528 2744,1010 2782,1048 v1(2783,1048)
NetC119_1: C119.1 R111.1 U10.14 | length 368.5
  L1 w8: C119.1@2536,1300 2536,1259 2561,1234 2561,1162 2543,1144 R111.1@2533,1144 2533,1117 2550.8,1099.2 2611.8,1099.2 2642.93,1068.07 U10.14@2642.93,1040.61
NetC119_2: C119.2 R109.1 U10.13 | length 630.2
  L1 w8: v1(2504,1341) 2535,1341 C119.2@2536,1340 ; R109.1@2589,1147 2589,1128 2602,1115 2626.23,1115 2662.61,1078.61 U10.13@2662.61,1040.61 2662.61,1016.39 v1(2674,1005)
  L4 w8: v1(2504,1341) 2506,1339 2506,1173 v1(2674,1005)
NetC120_1: C120.1 L33.2 R112.2 U10.16 | length 729
  L1 w8: C120.1@2384,1115 C120.1@2394,1115 2394,1093 2392,1091 ; R112.2@2405,1329 2405,1380 L33.2@2380,1405 2331,1356 2331,1125 2365,1091 2392,1091 ; U10.16@2603.56,1040.61 2521.39,1040.61 2471,1091 2392,1091
NetC120_2: C120.2 P2.19 R112.1 U10.15 | length 1142.2
  L1 w8: R112.1@2405,1194 2484,1115 ; C120.2@2434,1115 2484,1115 ; v1(2649,949) 2649,995 2623.24,1020.76 U10.15@2623.24,1040.61 2623.24,1057.76 2597.6,1083.4 2515.6,1083.4 2484,1115
  L4 w8: v1(2649,949) 2649,824 2634,809 2634,374.34 2711,297.34 P2.19@2711,289
NetC121_1: C121.1 C123.1 U10.19 | length 222.4
  L1 w10: C121.1@2423,874 2423,922 2461,922 2512.69,973.69 U10.19@2576,973.69
NetC122_1: C122.1 C124.1 U10.17 | length 211.7
  L1 w10: C124.1@2421,1009 C124.1@2425,1013 ; C122.1@2425,958 C124.1@2425,1013 ; U10.17@2576,1013.06 C124.1@2425.06,1013.06 C124.1@2425,1013
NetD2_2: D2.2 Q1.B R9.2 | length 318.2
  L1 w15: v1(3018,1377) 3030,1389 3186,1389 3200,1375 v1(3202,1375)
  L4 w15: D2.2@3012,1339.06 3018,1345.06 v1(3018,1377) ; v1(3202,1375) 3215.41,1375 ; Q1.B@3242.15,1348.26 3243,1347.41 R9.2@3243,1279
NetD3_1: D3.1 R2.2
NetD6_K: D6.K R11.1 | length 61.8
  L4 w20: D6.K@3222,856 3254.33,856 3262.63,864.3 ; 3266.32,864.3 3276.02,874 R11.1@3280,874
NetD7_1: D7.1 R20.2
NetD8_1: D8.1 R38.1 | length 69.9
  L1 w8: D8.1@1438.06,1809 R38.1@1508,1809
NetD8_2: D8.2 U3.3 | length 1950.9
  L1 w10: D8.2@1379,1809 1379,1776 1400.8,1754.2 1565.8,1754.2 1595.6,1784 v2(1816,1784) ; U3.3@2591.1,2373.95 2591.1,2454.9 2591,2455 v2(2599,2463)
  L2 w10: v2(1816,1784) 1818,1784 1855,1821 1855,2309.4 1901.8,2356.2 1901.8,2384.8 1980,2463 v2(2599,2463)
NetD9_1: D9.1 R39.1 | length 66.9
  L1 w10: D9.1@1440.06,1908 R39.1@1507,1908
NetD9_2: D9.2 U3.2 | length 1743.1
  L1 w10: D9.2@1382,1909 v1(1382,1946) ; U3.2@2610.79,2373.95 2610.79,2428.79 v2(2624,2442)
  L2 w10: v3(2143,2409) 2153,2419 2601,2419 v2(2624,2442)
  L4 w10: v1(1382,1946) 1382,1960 1400,1978 1708,1978 1801,2071 2107,2071 2140.2,2104.2 2140.2,2406.2 v3(2143,2409)
NetD10_1: D10.1 R43.1 | length 77.4
  L1 w10: R43.1@378,686 454,686 D10.1@455,687
NetD10_2: D10.2 U4.5 | length 356.3
  L1 w10: U4.5@459.39,953.84 512.16,953.84 549,917 549,710 526,687 D10.2@514.06,687
NetD11_1: D11.1 R44.1 | length 75.4
  L1 w10: R44.1@383,614 457,614 D11.1@458,613
NetD11_2: D11.2 U4.4 | length 402
  L1 w10: U4.4@459.39,934.16 500.84,934.16 525,910 525,747.54 485.51,708.05 485.51,665.16 486.3,664.37 486.3,643.76 D11.2@517.06,613
NetD12_1: D12.1 R69.1 | length 74
  L1 w10: R69.1@975,692 D12.1@1049,692
NetD12_2: D12.2 U6.4 | length 346.7
  L1 w10: v1(1010,944) 1010.16,944.16 U6.4@1053.46,944.16 ; v1(1053,762) 1053,754 1109.06,697.94 D12.2@1109.06,691
  L4 w10: v1(1010,944) 999,933 999,863 1049,813 1049,766 v1(1053,762)
NetD13_1: D13.1 R70.1 | length 74.2
  L1 w10: R70.1@975,617 978,614 D13.1@1048,614
NetD13_2: D13.2 U6.5 | length 506.5
  L1 w8: U6.5@1053.46,963.84 1140.16,963.84 1169,935 1168,934 v1(1167,934) ; D13.2@1107.06,614 1157,614 v1(1158,615)
  L4 w8: v1(1158,615) 1170,627 1170,931 v1(1167,934)
NetD14_1: D14.1 R68.1 | length 361.4
  L1 w10: v1(1756,1700) 1877,1700 1904,1727 1904,1852 v1(1913,1861)
  L4 w10: D14.1@1754.06,1735 1754.06,1701.94 v1(1756,1700) ; v1(1913,1861) 1917,1865 R68.1@1940,1865
NetD15_1: D15.1 R67.1 | length 138.7
  L4 w8: D15.1@1754.06,1806 1754.06,1908.06 R67.1@1780,1934
NetD16_1: D16.1 R84.1 | length 166.6
  L1 w8: R84.1@1559,475 1559,544.06 D16.1@1627.94,613
NetD16_2: D16.2 U8.4 | length 517
  L1 w8: v2(1601,928) 1615.16,942.16 U8.4@1656.46,942.16 ; D16.2@1687,613 1697,613 v4(1725,641) 1720.2,645.8 1720.2,723.42 1725,728.22 v2(1725,899)
  L2 w8: v2(1601,928) 1617,928 1646,899 v2(1725,899)
  L4 w8: v4@1716.96,641 v4(1725,641)
NetD17_1: D17.1 R86.1 | length 68
  L1 w8: R86.1@1562,688 D17.1@1630,688
NetD17_2: D17.2 U8.5 | length 316.4
  L1 w8: U8.5@1656.46,961.84 1689.06,961.84 1689.06,868.06 1677,856 1677,743.06 1689.06,731 D17.2@1689.06,688
NetD18_1: D18.1 R98.1 | length 71.5
  L1 w8: R98.1@2117,614 2180,614 D18.1@2186,608
NetD18_2: D18.2 U9.4 | length 484.7
  L1 w8: U9.4@2192.46,941.16 2229.84,941.16 v2@2242,929 ; D18.2@2245.06,608 2251,608 2306,663 v2(2306,940)
  L2 w8: v2(2242,927) 2255,940 v2(2306,940)
NetD19_1: D19.1 R100.1 | length 107
  L1 w8: R100.1@2117,687 2118,687 2148,717 2175,717 2186,706 D19.1@2186,685
NetD19_2: D19.2 U9.5 | length 334.7
  L1 w8: U9.5@2192.46,960.84 2247.16,960.84 2263,945 2263,702.94 D19.2@2252,691.94
NetD20_1: D20.1 R114.1 | length 75
  L1 w10: R114.1@2684,599 2751.94,599 D20.1@2756.94,594
NetD20_2: D20.2 U10.5 | length 473.8
  L1 w8: U10.5@2768.91,954 v1(2799,954) ; D20.2@2816,594 2851,629 v1(2854,629)
  L4 w8: v1(2799,954) 2801,956 2840,956 2874,922 2874,887 2854,867 v1(2854,629)
NetD21_1: D21.1 R113.1 | length 72.9
  L1 w10: R113.1@2682,670 D21.1@2754.94,670
NetD21_2: D21.2 U10.4 | length 357.8
  L1 w10: U10.4@2768.91,934.32 2770.03,933.2 2801,933.2 2803,931.2 2803,813 2748,758 2748,725 2761,712 2780,712 2814,678 D21.2@2814,670
NetJ1_1: J1.1 TrET1.16 | length 368.8
  L4 w10: J1.1@1647,2464 1685,2464 1716,2495 TrET1.16@2003,2495
NetJ1_2: J1.2 TrET1.14 | length 262.9
  L4 w10: J1.2@1748,2414 1820,2414 1839,2395 TrET1.14@2003,2395